# KiCad board badge.kicad_pcb
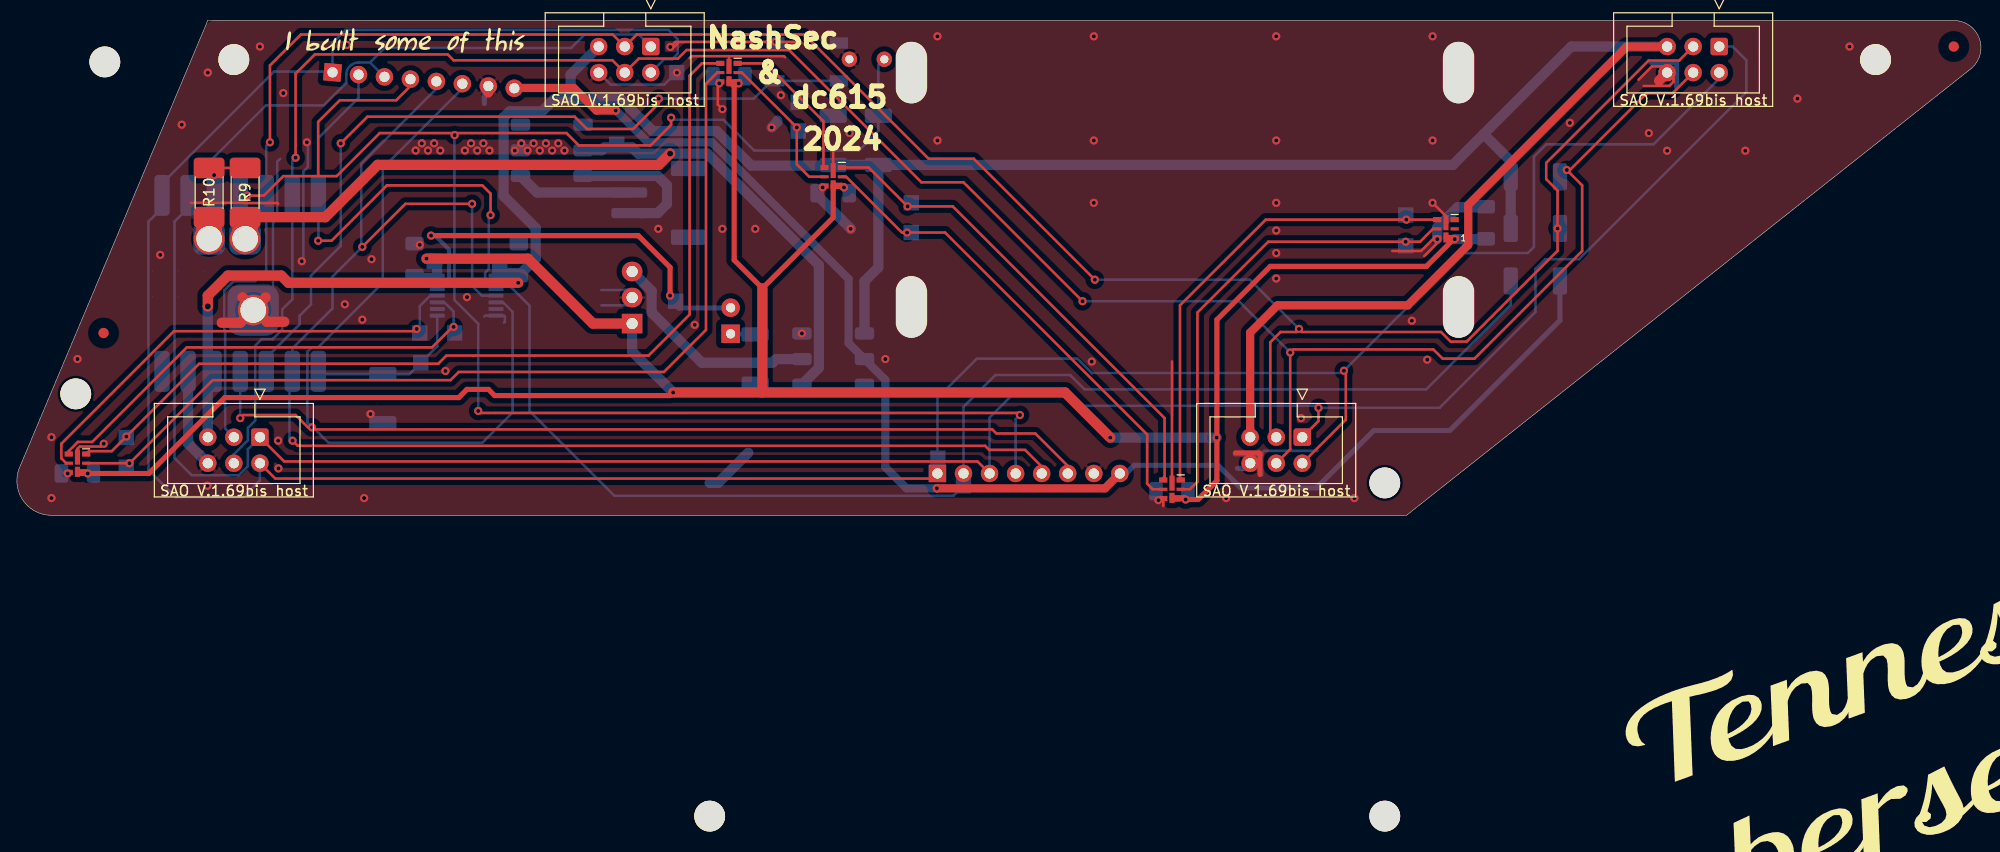
[diagram p0: board, top side]
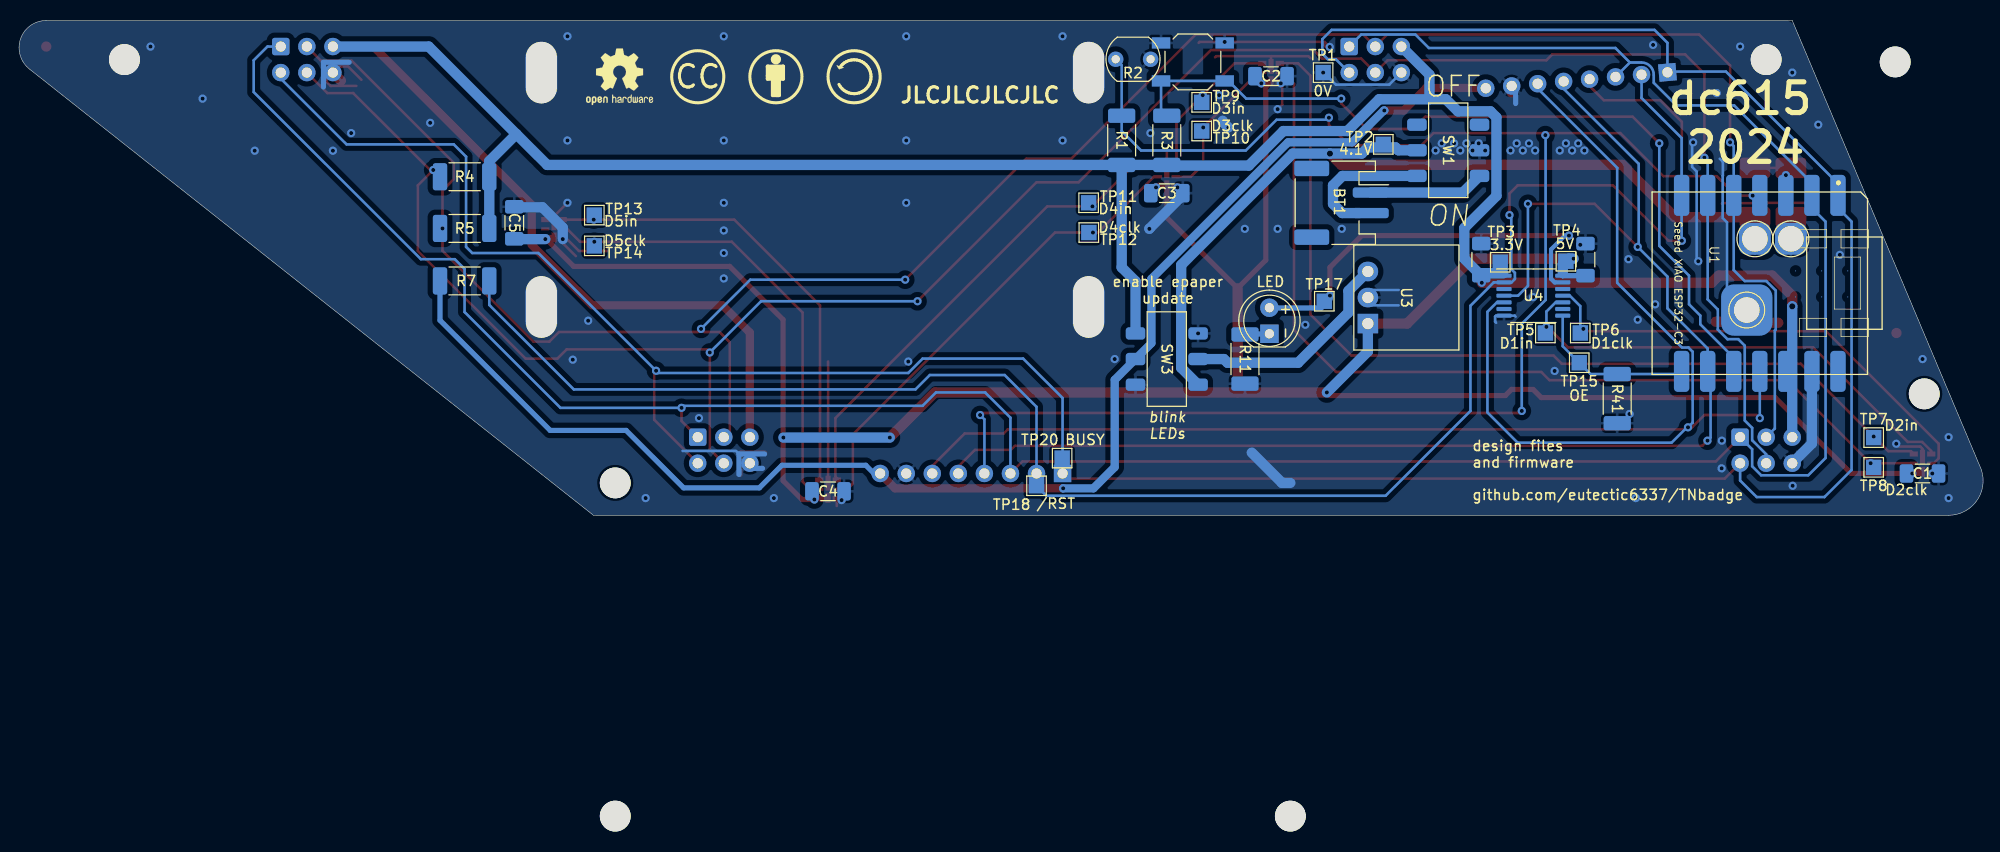
[diagram p1: board, bottom side, seen from below]

Outline 191.44 x 48.26 mm; copper layers: Top, Bottom. Coordinates in mm from the lower left corner of the outline.
Outline path: 3.37,0 arc(0.5,1.6) 0.36,4.88 18.61,48.26 188.79,48.26 arc(191.3,46.47) 190.41,43.52 135.45,0 3.37,0
Stack: Top 0.035mm / dielectric 1.51mm FR4 er 4.5 / Bottom 0.035mm

## Placement (name value [footprint] x y rotation side)
bb1  -  [MountingHole_2.2mm_M2_DIN965_Pad]  140.53 43.18 0 top
bb2  -  [MountingHole_2.2mm_M2_DIN965_Pad]  140.53 20.32 0 top
bb5  -  [MountingHole_2.2mm_M2_DIN965_Pad]  87.19 20.32 0 top
bb6  -  [MountingHole_2.2mm_M2_DIN965_Pad]  87.19 43.18 0 top
BT1  Battery  [JST_PH_S2B-PH-SM4-TB_1x02-1MP_P2.00mm_Horizontal]  62.54 30.48 270 bottom
C1  1u  [C_1206_3216Metric_Pad1.33x1.80mm_HandSolder]  5.91 4.08 180 bottom
C2  1u  [C_1206_3216Metric_Pad1.33x1.80mm_HandSolder]  69.41 42.83 180 bottom
C3  1u  [C_1206_3216Metric_Pad1.33x1.80mm_HandSolder]  79.57 31.42 180 bottom
C4  1u  [C_1206_3216Metric_Pad1.33x1.80mm_HandSolder]  112.59 2.34 180 bottom
C5  1u  [C_1206_3216Metric_Pad1.33x1.80mm_HandSolder]  143.17 28.53 90 bottom
C41  1u  [C_1206_3216Metric_Pad1.33x1.80mm_HandSolder]  48.92 24.94 90 bottom
C42  1u  [C_1206_3216Metric_Pad1.33x1.80mm_HandSolder]  38.76 24.94 90 bottom
CC  -  [Symbol_CreativeCommons_Silkscreen_Type2_Small]  125.29 42.78 180 bottom
CC-BY  -  [Symbol_CC-Attribution_Silkscreen_Small]  117.67 42.78 180 bottom
CC-SA  -  [Symbol_CC-ShareAlike_Silkscreen_Small]  110.05 42.78 180 bottom
D1  APA102  [LED-APA102-2020]  5.91 5.08 180 top
D2  APA102  [LED-APA102-2020]  69.41 43.18 180 top
D3  APA102  [LED-APA102-2020]  79.57 33.02 180 top
D4  APA102  [LED-APA102-2020]  112.59 2.54 180 top
D5  APA102  [LED-APA102-2020]  139.29 27.94 180 top
D6  LED  [LED_D5.0mm]  69.57 17.71 90 bottom
fiducial1  -  [Fiducial_1mm_Mask3mm]  8.45 17.78 0 top
fiducial2  -  [Fiducial_1mm_Mask3mm]  188.79 45.72 0 top
J1  SAO V.1.69bis host  [IDC-Header_2x03_P2.54mm_Vertical]  165.93 45.72 270 top
J1#2  SAO V.1.69bis host  [IDC-Header_2x03_P2.54mm_Vertical]  61.79 45.72 270 top
J1#3  SAO V.1.69bis host  [IDC-Header_2x03_P2.54mm_Vertical]  125.29 7.62 270 top
J1#4  SAO V.1.69bis host  [IDC-Header_2x03_P2.54mm_Vertical]  23.69 7.62 270 top
lanyard1  -  [unnamed]  21.15 44.45 0 top
lanyard2  -  [unnamed]  181.17 44.45 0 top
OSHW  -  [OSHW-Logo2_7.3x6mm_SilkScreen]  132.91 42.78 180 bottom
R1  10k  [R_2010_5025Metric_Pad1.40x2.65mm_HandSolder#2]  83.97 36.57 90 bottom
R2  LDR07  [R_LDR_5.1x4.3mm_P3.4mm_Vertical]  84.55 44.48 180 bottom
R3  10k  [R_2010_5025Metric_Pad1.40x2.65mm_HandSolder#2]  79.57 36.57 90 bottom
R4  10k  [R_2010_5025Metric_Pad1.40x2.65mm_HandSolder#2]  148.01 33.02 0 bottom
R5  10k  [R_2010_5025Metric_Pad1.40x2.65mm_HandSolder#2]  148.01 27.98 0 bottom
R7  10k  [R_2010_5025Metric_Pad1.40x2.65mm_HandSolder#2]  148.01 22.86 180 bottom
R9  100k  [R_2010_5025Metric_Pad1.40x2.65mm_HandSolder]  22.25 31.48 90 top
R10  100k  [R_2010_5025Metric_Pad1.40x2.65mm_HandSolder]  18.74 31.48 270 top
R11  100  [R_2010_5025Metric_Pad1.40x2.65mm_HandSolder#2]  71.95 15.24 270 bottom
R41  10k  [R_2010_5025Metric_Pad1.40x2.65mm_HandSolder#2]  35.67 11.38 270 bottom
REF**  -  [TestPoint_Pad_D3.0mm]  22.25 26.97 180 bottom
REF**#2  -  [TestPoint_Pad_D3.0mm#2]  23.04 20.02 180 bottom
REF**#3  -  [TestPoint_Pad_D3.0mm]  18.74 26.97 180 bottom
SW1  power  [MSS-22D18G2 hand-solderable]  52.14 35.6 90 bottom
SW2  SW_Push  [SW_SPST_SKQG_WithoutStem]  77.03 44.22 180 bottom
SW3  update epaper  [MSS-22D18G2 hand-solderable]  79.57 15.24 270 bottom
TP1  0V  [TestPoint_Pad_1.5x1.5mm]  64.33 43.18 180 bottom
TP2  4.1V  [TestPoint_Pad_1.5x1.5mm]  58.47 36.18 180 bottom
TP3  3.3V  [TestPoint_Pad_1.5x1.5mm]  47.07 24.68 180 bottom
TP4  5V  [TestPoint_Pad_1.5x1.5mm]  40.67 24.78 180 bottom
TP5  D1in  [TestPoint_Pad_1.5x1.5mm]  42.67 17.78 180 bottom
TP6  D1clk  [TestPoint_Pad_1.5x1.5mm]  39.27 17.78 180 bottom
TP7  D2in  [TestPoint_Pad_1.5x1.5mm]  10.67 7.58 180 bottom
TP8  D2clk  [TestPoint_Pad_1.5x1.5mm]  10.67 4.68 180 bottom
TP9  D3in  [TestPoint_Pad_1.5x1.5mm]  76.17 40.28 180 bottom
TP10  D3clk  [TestPoint_Pad_1.5x1.5mm]  76.17 37.48 180 bottom
TP11  D4in  [TestPoint_Pad_1.5x1.5mm]  87.19 30.48 180 bottom
TP12  D4clk  [TestPoint_Pad_1.5x1.5mm]  87.17 27.58 180 bottom
TP13  D5in  [TestPoint_Pad_1.5x1.5mm]  135.37 29.28 180 bottom
TP14  D5clk  [TestPoint_Pad_1.5x1.5mm]  135.37 26.28 180 bottom
TP15  OE  [TestPoint_Pad_1.5x1.5mm]  39.37 14.88 180 bottom
TP17  LEDin  [TestPoint_Pad_1.5x1.5mm]  64.22 20.88 180 bottom
TP18  /RST  [TestPoint_Pad_1.5x1.5mm]  92.27 2.88 180 bottom
TP20  BUSY  [TestPoint_Pad_1.5x1.5mm]  89.77 5.58 180 bottom
U1  Seeed XIAO ESP32-C3  [Seeed XIAO ESP32-C3 hand-solderable]  32.27 31.54 270 bottom
U2  -  [MH-ET_epaper_ 2.13]  89.73 4.08 0 top
U2#2  -  [MH-ET_epaper_ 2.13#2]  30.77 43.2 355 top
U3  5V boost converter  [boost converter module]  59.97 18.7 270 bottom
U4  TXS0104EPWR  [TSSOP-14_4.4x5mm_P0.65mm]  43.84 21.42 180 bottom

## Library data of the parts
C1-C5 C41 C42 = -: ki_fp_filters: C_*
D1-D4 = -: Datasheet: http://www.led-color.com/upload/201604/APA102-2020%20SMD%20LED.pdf; Field4: 1; ki_fp_filters: LED*APA102*
D5 = -: Datasheet: http://www.led-color.com/upload/201604/APA102-2020%20SMD%20LED.pdf; ki_fp_filters: LED*APA102*
D6 = -: ki_fp_filters: LED* LED_SMD:* LED_THT:*
R1 R3-R5 R7 R9-R11 R41 = -: ki_fp_filters: R_*
R2 = -: Datasheet: http://www.tme.eu/de/Document/f2e3ad76a925811312d226c31da4cd7e/LDR07.pdf; ki_fp_filters: R*LDR*5.1x4.3mm*P3.4mm*
SW1 SW3 = -: ki_fp_filters: SW*DPDT*
TP1-TP15 TP17 TP18 TP20 = -: ki_fp_filters: Pin* Test*
U2 U2#2 = -: Datasheet: https://www.aliexpress.us/item/3256803898542103.html; ki_fp_filters: EA*DOGXL160*7*
U3 = -: ki_fp_filters: TO?252* TO?263* TO?220*
U4 = -: Datasheet: www.ti.com/lit/ds/symlink/txs0104e.pdf; ki_fp_filters: *SSOP*4.4x6.5mm*P0.65mm*

## Footprints (pads in the part's own frame, mm; a bottom-side part is the same pattern mirrored in y, then rotated)
boost converter module
  rect 1.905x2 hole 1.1: 1(0,0)
  oval 1.905x2 hole 1.1: 2(-2.54,0) 3(-5.08,0)
C_1206_3216Metric_Pad1.33x1.80mm_HandSolder
  rrect 1.325x1.8 smd: 1(-1.562,0) 2(1.562,0)
Fiducial_1mm_Mask3mm
  round 1 smd: (0,0)
IDC-Header_2x03_P2.54mm_Vertical
  rrect 1.7x1.7 hole 1: 1(0,0)
  round 1.7 hole 1: 2(2.54,0) 3(0,-2.54) 4(2.54,-2.54) 5(0,-5.08) 6(2.54,-5.08)
JST_PH_S2B-PH-SM4-TB_1x02-1MP_P2.00mm_Horizontal
  rrect 1x3.5 smd: 1(-1,2.85) 2(1,2.85)
  rrect 1.5x3.4 smd: MP(-3.35,-2.9) MP(3.35,-2.9)
LED-APA102-2020
  rect 0.8x0.5 smd: 1(-0.85,0.9) 3(-0.85,-0.9) 4(0.85,-0.9) 6(0.85,0.9)
  rect 0.5x0.98 smd: 1(0,0.84)
  rect 0.8x0.3 smd: 2(-0.85,0) 5(0.85,0)
  rect 0.5x1.46 smd: 6(0,-0.6)
LED_D5.0mm
  rect 1.8x1.8 hole 0.9: 1(0,0)
  round 1.8 hole 0.9: 2(2.54,0)
MH-ET_epaper_ 2.13
  round 0.1 smd far side: (-22.2,-0.92)
  round 3 hole 3 unplated: (-22.2,-33.42) (43.6,-0.92) (43.6,-33.42)
  rect 1.7x1.7 hole 1: 1(0,0)
  round 1.7 hole 1: 2(2.54,0) 3(5.08,0) 4(7.62,0) 5(10.16,0) 6(12.7,0) 7(15.24,0) 8(17.78,0)
MH-ET_epaper_ 2.13#2
  round 3 hole 3 unplated: (-22.2,-0.92) (-22.2,-33.42)
  round 0.1 smd far side: (43.6,-0.92) (43.6,-33.42)
  rect 1.7x1.7 hole 1: 1(0,0)
  round 1.7 hole 1: 2(2.54,0) 3(5.08,0) 4(7.62,0) 5(10.16,0) 6(12.7,0) 7(15.24,0) 8(17.78,0)
MountingHole_2.2mm_M2_DIN965_Pad
  oval 3.1x6 hole 3x6: (0,0)
MSS-22D18G2 hand-solderable
  rrect 1.2x1.9 smd: 1(-2.5,3.05) 2(0,3.05) 3(2.5,3.05) 4(-2.5,-3.05) 5(0,-3.05) 6(2.5,-3.05)
R_2010_5025Metric_Pad1.40x2.65mm_HandSolder
  rrect 2x3 smd: 1(-2.4,0) 2(2.4,0)
R_2010_5025Metric_Pad1.40x2.65mm_HandSolder#2
  rrect 1.4x2.65 smd: 1(-2.4,0) 2(2.4,0)
R_LDR_5.1x4.3mm_P3.4mm_Vertical
  round 1.5 hole 0.8: 1(0,0) 2(3.4,0)
Seeed XIAO ESP32-C3 hand-solderable
  rrect 4x1.5 smd: 1(0.333,18.118) 2(0.333,15.578) 3(0.333,13.038) 4(0.333,10.498) 5(0.333,7.958) 6(0.333,5.418) 7(0.333,2.878) 8(17.498,2.878) 9(17.498,5.418) 10(17.498,7.958) 11(17.498,10.498) 12(17.498,13.038) 13(17.498,15.578) 14(17.498,18.118)
  round 3 hole 2.5: 15(4.572,10.019) 16(4.572,13.529) thermal(11.517,9.228)
  round 0.1 smd: 17(7.699,19.068) 18(10.239,19.068) 19(7.699,16.528) 20(10.239,16.528) 21(7.699,13.988) 22(10.239,13.988)
SW_SPST_SKQG_WithoutStem
  rect 1.8x1.1 smd: 1(-3.1,1.85) 1(3.1,1.85) 2(-3.1,-1.85) 2(3.1,-1.85)
TestPoint_Pad_1.5x1.5mm
  rect 1.5x1.5 smd: 1(0,0)
TestPoint_Pad_D3.0mm
  rrect 3.1x3.1 smd: 1(0,0)
TestPoint_Pad_D3.0mm#2
  rrect 5x5 smd: 1(0,0)
TSSOP-14_4.4x5mm_P0.65mm
  rrect 1.475x0.4 smd: 1(-2.862,1.95) 2(-2.862,1.3) 3(-2.862,0.65) 4(-2.862,0) 5(-2.862,-0.65) 6(-2.862,-1.3) 7(-2.862,-1.95) 8(2.862,-1.95) 9(2.862,-1.3) 10(2.862,-0.65) 11(2.862,0) 12(2.862,0.65) 13(2.862,1.3) 14(2.862,1.95)
unnamed
  round 3 hole 3: (0,0)

## Nets
+3V3: C41.1 J1.5 J1#2.5 J1#3.5 J1#4.5 R1.1 R3.1 R4.1 R5.1 SW3.4 TP3.1 U1.12 U4.1
+5V: C1.1 C2.1 C3.1 C4.1 C5.1 C42.1 D1.1 D2.1 D3.1 D4.1 D5.1 TP4.1 U3.1 U4.14
GND: bb1. bb2. bb5. bb6. C1.2 C2.2 C3.2 C4.2 C5.2 C41.2 C42.2 D1.6 D2.6 D3.6 D4.6 D5.6 J1.6 J1#2.6 J1#3.6 J1#4.6 lanyard1. lanyard2. R2.2 R10.2 R11.2 R41.2 REF**#2.1 REF**#3.1 SW1.5 SW2.1 SW3.1 SW3.6 TP1.1 U1.13 U1.16 U1.thermal U2. U2.7 U2#2. U2#2.7 U3.2 U4.7
/BAT+: R9.1 REF**.1 SW1.2 SW3.3 TP2.1 U1.15
/D2ck: D1.2 D2.5 TP8.1
/D2in: D1.3 D2.4 TP7.1
/D3ck: D2.2 D3.5 TP10.1
/D3in: D2.3 D3.4 TP9.1
/D4ck: D3.2 D4.5 TP12.1
/D4in: D3.3 D4.4 TP11.1
/D5ck: D4.2 D5.5 TP14.1
/D5in: D4.3 D5.4 TP13.1
/GPIO1/DC: J1.1 J1#2.1 J1#3.1 J1#4.1 U1.2 U2.3 U2#2.3
/GPIO2/BUSY: J1.2 J1#2.2 J1#3.2 J1#4.2 TP20.1 U1.1 U2.1 U2#2.1
/LED/RESET: R7.2 TP18.1 U1.7 U2.2 U2#2.2 U4.2
/ls_MOSI: D1.4 TP5.1 U4.10
/ls_SCLK: D1.5 TP6.1 U4.11
/MOSI: U1.11 U2.6 U2#2.6 U4.5
/OE: R41.1 TP15.1 U1.8 U4.8
/SCL: J1.4 J1#2.4 J1#3.4 J1#4.4 R4.2 U1.6
/SCLK: U1.9 U2.5 U2#2.5 U4.4
/SDA: J1.3 J1#2.3 J1#3.3 J1#4.3 R5.2 U1.5
/sw_+3V3: R7.1 SW3.5 U2.8 U2#2.8
/Vbutton: R3.2 SW2.2 U1.10
/Vdark/cs: R1.2 R2.1 U1.4 U2.4 U2#2.4
/Vmeasure: R9.2 R10.1 U1.3
Net-(BT1-+): BT1.2 SW1.1
Net-(BT1--): BT1.1 SW1.4
Net-(D6-A): D6.2 TP17.1 U4.13
Net-(D6-K): D6.1 R11.1
Net-(SW3A-B): SW3.2 U3.3

Pads without a net: BT1 MP; D5 2 3; SW1 3 6; U1 14 17 18 19 20 21 22; U4 3 6 9 12

## Via types
v1: diameter 0.8, hole 0.4, Top to Bottom, 136 vias
v2: diameter 1, hole 0.6, Top to Bottom, 2 vias

## Routing (per net, layer and track width the routed paths; a pad name or vN(x,y) marks a point on that pad's centre or on a via; arc(x,y) is an arc through that point)
+3V3: length 286.7
  Top w0.8: J1#3.5 120.21,17.82 122.87,20.48 135.57,20.48 141.47,26.38 141.47,30.28 156.91,45.72 J1.5
  Top w1: v2(18.61,20.38) 18.61,21.42 20.57,23.38 25.77,23.38 26.47,22.68 v1(48.87,22.68)
  Bottom w0.5: 48.82,23.37 U4.1
  Bottom w1: 79.63,34.11 71.57,34.11 68.2,37.48 61.97,37.48 58.87,40.58 53.97,40.58 ; 53.97,40.58 52.37,40.58 51.19,39.4 48.02,39.4 47.44,38.81 47.44,31.15 50.57,28.02 50.57,25.03 49.16,23.62 46.77,23.62 ; 53.97,40.58 53.97,42.98 J1#2.5 ; SW3.4 82.62,22.83 83.97,24.18 R1.1 ; v2(18.61,20.38) J1#4.5 ; R5.1 R4.1 145.61,34.54 142.97,37.18 ; 142.97,37.18 139.96,34.17 R3.1 ; 142.97,37.18 151.51,45.72 J1.5
+5V: length 252.9
  Top w0.5: 112.71,1.58 113.36,1.58 ; 112.59,1.71 113.8,1.71 113.97,1.54 115.13,1.54 116.97,3.38 116.97,19.08 122.17,24.28 137.39,24.28 D5.1 140.08,27.1 D5.1 ; 80.52,32.02 80.35,32.19 79.57,32.19 79.57,29.04 72.67,22.14 69.92,24.89 69.92,41.83 D2.1 ; 79.58,32.08 80.36,32.08 ; D2.1 69.48,42.28 69.41,42.35 ; 5.91,4.25 6.74,4.25 v1(6.91,4.08) 12.87,4.08 20.27,11.48 43.07,11.48 43.87,12.28 45.97,12.28 46.57,11.68 63.67,11.68 v1(63.97,11.98) ; 140.16,26.98 139.37,26.98 ; 5.95,4.08 6.78,4.08
  Top w1: 72.67,22.14 72.67,11.98 ; v1(106.57,7.58) 102.17,11.98 v1(63.97,11.98) ; v1(39.92,25.03) 49.82,25.03 56.15,18.7 U3.1
  Bottom w0.5: C42.1 40.97,23.38 ; 40.97,23.38 40.97,23.38 ; 40.97,23.38 U4.14
  Bottom w1: v1(140.14,26.94) 143.15,26.94 ; v1(39.92,25.03) 40.42,25.03 40.97,24.48 40.97,23.62 ; v1(106.57,7.58) v1(116.94,7.58) ; U3.1 59.97,15.98 v1(63.97,11.98)
  vias: v1(70.36,42.13) v1(80.62,31.98) v1(113.92,1.54)
GND: length 174.6
  Top w0.25: 139.29,28.53 139.29,29.18 v1(137.99,30.48) ; 79.57,33.61 79.57,35.56 ; 65.57,44.58 65.77,44.78 69.37,44.78 ; 134.07,25.78 136.87,25.78 138.27,27.18 ; 69.37,44.78 74.77,44.78 ; 69.37,44.78 69.41,44.74 D2.6 ; v1(68.77,39.61) 68.32,40.06 68.32,42.04 D2.6 ; 25.47,30.38 25.39,30.46 22.17,30.46 22.14,30.48 16.97,30.48 ; D1.6 5.91,6.48 6.13,6.71 8.19,6.71 v1(8.47,6.98) ; 138.72,26.83 137.17,25.28 ; 160.87,43.78 159.37,43.78 158.07,42.48 ; 161.47,42.88 161.47,42.28 161.07,41.88 158.57,41.88 ; D4.6 111.74,0.91 ; 76.47,46.08 76.38,46.17 64.18,46.17 v1(63.69,45.68) 64.06,45.68 64.46,46.08 ; 74.78,44.77 74.87,44.68 ; 112.59,3.13 112.59,15
  Top w0.5: 118.77,6.08 121.07,6.08 121.17,5.98 121.17,3.98
  Top w1: 24.25,21.26 21.77,18.78 19.97,18.78 ; 26.07,18.88 24.37,18.88 21.99,21.26 ; 45.95,41.24 45.95,41.67 ; J1.6 160.07,42.4
  Top w2.5: 18.74,28.58 U1.16
  Bottom w0.25: 59.97,20.48 56.97,20.48 ; v1(28.27,36.38) 28.37,36.28 28.37,33.98 27.92,33.54 27.92,24.94 v1(27.77,24.78) ; J1#2.6 57.88,42.01 63.09,42.01 64.27,43.18 ; 47.47,18.78 47.57,18.88 47.57,19.38 47.48,19.47 47.27,19.47 ; 126.77,6.28 121.57,6.28 121.27,5.98 ; U4.7 45.66,19.47 45.57,19.38 ; 24.97,21.95 24.97,28.58 25.38,29 25.38,33.12 25.37,33.13 25.37,34.48 25.67,34.78 ; 59.97,21.98 56.97,21.98
  Bottom w0.5: 159.27,44.18 161.77,44.18 161.77,41.78 ; 118.77,5.98 121.27,5.98 121.27,3.98 ; 45.57,41.67 45.57,40.16 ; 118.97,4.58 119.94,4.58
  Bottom w1: J1#4.6 16.69,7 U1.13 ; 71.29,6.11 68.34,3.16 67.53,3.16 ; v1(81.27,27.94) 81.27,27.96 78.01,31.22 ; 74.12,38.49 74.12,38.38 v1(73.57,37.83) ; v1(138.44,26.94) 138.44,28.05 140.43,30.04 143.17,30.04
  vias: v1(3.37,7.62) v1(3.37,1.68) v1(4.96,4.08) v1(5.91,15.24) v1(13.97,25.4) v1(16.07,38.1) v1(18.61,43.18) v1(18.57,2.88) v1(23.69,45.72) v1(25.47,7.28) v1(25.49,4.58) v1(25.97,41.18) v1(31.97,20.58) v1(32.17,45.88) v1(33.67,19.08) v1(33.85,1.68) v1(34.47,9.88) v1(34.57,24.98) v1(38.87,35.58) v1(39.27,26.38) v1(39.47,36.28) v1(40.07,35.58) v1(40.67,36.28) v1(41.27,35.58) v1(41.77,14.08) v1(43.67,35.58) v1(43.87,21.28) v1(44.27,36.28) v1(44.87,35.58) v1(45.47,36.28) v1(46.07,35.58) v1(48.54,35.58) v1(49.17,36.28) v1(49.77,35.58) v1(50.37,36.28) v1(50.97,35.58) v1(51.57,36.28) v1(52.17,35.58) v1(52.77,36.28) v1(53.37,35.58) v1(62.52,27.94) v1(64.33,43.18) v1(66.07,18.58) v1(68.46,42.13) v1(68.77,27.94) v1(71.97,27.94) v1(73.93,46.17) v1(74.47,40.98) v1(76.52,17.74) v1(78.54,31.98) v1(81.17,37.28) v1(84.65,15.24) v1(89.73,46.72) v1(89.73,36.56) v1(104.77,14.99) v1(104.97,46.72) v1(104.97,36.56) v1(104.97,30.48) v1(111.27,1.48) v1(117.87,1.68) v1(122.75,46.72) v1(122.75,36.56) v1(122.75,30.48) v1(122.75,27.78) v1(122.75,25.58) v1(122.75,23.1) v1(125.17,9.48) v1(130.37,1.68) v1(135.97,18.98) v1(137.47,15.18) v1(137.99,46.72) v1(137.99,36.56) v1(151.37,38.28) v1(159.07,37.28) v1(160.85,35.56) v1(168.47,35.56) v1(173.55,40.64) v1(178.63,45.72)
/BAT+: length 85.8
  Top w1: R9.1 30.07,29.08 35.17,34.18 62.57,34.18 v2(63.67,35.28)
  Top w2.5: 22.25,28.58 REF**.1
  Bottom w1: SW1.2 56.99,35.6 57.27,35.88 59.97,35.88 60.57,35.28 v2(63.67,35.28) 67.29,35.28 78.17,24.4 78.17,14.39 SW3.3
/D2ck: length 91.6
  Top w0.25: D1.2 10.99,5.08 19.09,13.18 42.27,13.18 43.07,13.98 63.07,13.98 67.17,18.08 67.17,42.08 68.27,43.18 D2.5
  vias: v1(10.97,5.08)
/D2in: length 91.2
  Top w0.25: D1.3 7.03,6.26 9.24,6.26 v1(10.67,7.68) 17.77,14.78 41.07,14.78 41.87,15.58 61.57,15.58 65.57,19.58 65.57,42.88 66.77,44.08 D2.4
/D3ck: length 14.6
  Top w0.25: 78.62,33.02 77.23,33.02 76.02,34.23 v1(76.02,37.83) 70.67,43.18 70.36,43.18
/D3in: length 15.1
  Top w0.25: D2.3 72.97,44.08 78.62,38.43 78.62,34.02
  vias: v1(76.07,40.98)
/D4ck: length 46.8
  Top w0.25: D3.2 80.83,33.02 86.27,27.58 90.47,27.58 110.17,7.88 110.17,3.08 110.71,2.54 D4.5
  vias: v1(86.77,27.58)
/D4in: length 47.6
  Top w0.25: D3.3 83.03,33.92 v1(86.82,30.13) 91.22,30.13 111.87,9.48 111.87,3.77 111.64,3.54
/D5ck: length 45.2
  Top w0.25: D4.2 114.33,2.54 115.07,3.28 115.07,19.78 121.97,26.68 v1(135.37,26.68) 136.77,26.68 138.03,27.94 D5.5
/D5in: length 45.5
  Top w0.25: D5.4 v1(135.43,28.84) 121.73,28.84 113.37,20.48 113.37,3.71 113.54,3.54
/GPIO1/DC: length 269.1
  Top w0.25: v1(126.87,10.48) 126.87,9.2 J1#3.1 ; J1#4.1 26.05,5.26 93.63,5.26 U2.3
  Bottom w0.25: J1#4.1 22.51,6.45 22.51,4.78 21.64,3.91 17.04,3.91 15.36,5.58 15.36,28.65 16.69,29.97 ; U2.3 94.81,9.52 97.27,11.98 102.07,11.98 103.37,10.68 126.67,10.68 v1(126.87,10.48) 138.67,10.48 148.02,19.83 148.02,24.03 148.97,24.98 152.27,24.98 168.57,41.28 168.57,44.38 167.23,45.72 J1.1 ; 34.43,44.16 33.31,44.16 arc(32.46,43.81) 32.1,42.96 32.1,42.19 29.9,39.98 24.27,39.98 16.89,32.6 16.69,32.6 ; 34.43,44.16 35.84,45.58 54.03,45.58 55.34,46.9 60.61,46.9 J1#2.1 ; 34.43,44.16 U2#2.3
/GPIO2/BUSY: length 284.7
  Top w0.25: v1(129.35,14.1) 129.53,13.92 129.53,9.32 J1#3.2 ; J1#4.2 25.19,3.58 89.23,3.58
  Bottom w0.25: 14.15,29.97 12.82,28.65 12.82,4.42 15.47,1.78 22.07,1.78 23.69,3.4 J1#4.2 ; U2#2.1 30.77,46.08 32.03,47.35 63.5,47.35 64.41,46.44 64.41,45.03 63.87,44.48 63.09,44.48 J1#2.2 ; 165.93,42.59 159.52,36.18 149.07,36.18 147.87,34.98 147.87,26.18 147.27,25.58 140.83,25.58 v1(129.35,14.1) 129.13,13.88 104.77,13.88 103.37,15.28 93.57,15.28 89.73,11.44 U2.1 ; 30.77,43.28 25.07,43.28 14.15,32.36 U1.1
/LED/RESET: length 174.7
  Top w0.25: v1(29.37,26.78) 30.67,26.78 36.07,32.18 45.37,32.18 46.17,31.38 v1(46.17,29.28)
  Bottom w0.25: v1(29.37,26.78) 29.39,26.8 29.39,29.86 ; U1.7 29.39,36.8 33.3,40.71 33.3,42.78 ; R7.2 145.61,20.52 137.37,12.28 104.07,12.28 102.67,13.68 95.37,13.68 92.27,10.58 U2.2 TP18.1 91.29,1.9 58.24,1.9 49.97,10.18 49.97,20.44 47.69,22.72 47.69,22.72 U4.2 45.96,22.72 45.64,23.05 45.64,23.65 45.99,24 45.99,29.11 v1(46.17,29.28)
/ls_MOSI: length 46.3
  Top w0.25: v1(42.57,18.38) 42.47,18.38 40.47,16.38 16.57,16.38 7.34,7.16 5.94,7.16 5.06,6.27 D1.4
  Bottom w0.25: v1(42.57,18.38) 42.57,19.87 41.67,20.77 U4.10
/ls_SCLK: length 46.1
  Top w0.25: v1(38.97,18.18) 38.74,17.96 15.31,17.96 4.33,6.98 4.33,5.56 4.81,5.08
  Bottom w0.25: TP6.1 39.27,20.4 40.29,21.42 U4.11
/MOSI: length 161.5
  Top w0.25: U2.6 102.43,4.82 99.27,7.98 95.47,7.98 95.07,8.38 28.97,8.38 v1(28.77,8.58) 28.37,8.58 27.17,9.78 22.07,9.78 v1(21.77,9.48)
  Bottom w0.25: 43.42,41.9 43.42,41.63 35.67,33.88 35.67,22.68 29.35,16.36 28.72,16.36 28.31,15.95 28.31,9.03 v1(28.77,8.58) 28.87,8.58 30.37,7.08 45.37,7.08 48.32,10.03 48.32,19.84 47.39,20.77 U4.5 ; v1(21.77,9.48) U1.11
/OE: length 15.6
  Bottom w0.25: U4.8 40.98,16.49 TP15.1 38.27,13.78 35.57,13.78 ; 35.61,13.78 29.53,13.78
/SCL: length 222.1
  Top w0.25: J1.4 161.39,41.18 158.87,41.18 151.37,33.68 v1(151.07,33.68) 152.57,32.18 152.57,25.78 142.07,15.28 138.97,15.28 138.07,16.18 124.41,16.18 v1(124.11,15.88) 124.11,6.45 J1#3.4 ; v1(103.87,20.88) 92.27,32.48 88.17,32.48 75.27,45.38 65.27,45.38 64.43,44.55 60.61,44.55 J1#2.4 58.05,44.38 42.57,44.38 41.99,44.96 29.04,44.96 27.17,43.08 v1(27.17,34.88)
  Bottom w0.25: v1(27.17,34.88) 26.85,34.56 U1.6 26.85,21.06 25.86,20.08 25.86,18.12 24.93,17.18 23.87,17.18 23.23,16.55 23.23,9.25 22.51,8.53 22.51,7.32 21.15,5.96 J1#4.4 ; v1(103.87,20.88) 119.11,20.88 v1(124.11,15.88)
/SCLK: length 139.3
  Top w0.25: U2.5 99.89,4.76 98.27,6.38 94.77,6.38 94.37,6.78 27.37,6.78 v1(26.87,7.28) ; v1(33.67,26.18) 37.87,30.38 v1(44.37,30.38)
  Bottom w0.25: v1(26.87,7.28) 26.57,7.58 26.57,14.26 26.85,14.54 ; v1(44.37,30.38) 44.37,22.38 45.33,21.42 U4.4 ; 40.89,42.12 40.89,41.6 33.57,34.28 33.57,26.08 30.77,23.28 30.77,20.18 26.85,16.26 U1.9
/SDA: length 223.1
  Top w0.25: v1(105.07,22.98) 93.27,34.78 88.87,34.78 76.75,46.9 60.42,46.9 J1#2.3 58.07,46.9 27.68,46.9 24.67,43.88 v1(24.67,36.38) ; J1#3.3 122.17,8.2 122.17,16.88 123.17,17.88 124.67,17.88 v1(124.97,18.18) 125.27,17.88 138.81,17.88 139.75,16.94 141.31,16.94 150.17,25.8 v1(150.17,27.98) 150.17,31.68 149.07,32.78 149.07,34.38 159.04,44.36 162.02,44.36 J1.3
  Bottom w0.25: U1.5 24.31,36.02 v1(24.67,36.38) ; v1(124.97,18.18) 120.17,22.98 v1(105.07,22.98) ; 24.31,29.86 24.31,23.92 23.23,22.85 21.14,22.85 20.21,21.92 20.21,18.12 20.3,18.03 20.3,8.46 J1#4.3
/sw_+3V3: length 139
  Top w0.8: v1(58.37,39.48) 56.49,39.48 54.29,41.68 48.51,41.68 U2#2.8 ; U2.8 106.06,2.63 v1(89.67,2.63)
  Bottom w0.5: 107.81,3.78 108.91,4.88 117.08,4.88 119.28,2.68 126.67,2.68 132.27,8.28 139.67,8.28 150.41,19.02 R7.1
  Bottom w0.8: v1(89.67,2.63) 86.72,2.63 84.65,4.7 84.65,13.21 SW3.5 81.07,16.79 81.07,23.06 67.75,36.38 61.51,36.38 58.41,39.48 v1(58.37,39.48)
/Vbutton: length 78.7
  Top w0.25: v1(62.57,40.64) 62.57,40.18 60.07,37.68 55.57,37.68 54.37,38.88 34.17,38.88 v1(31.57,36.28)
  Bottom w0.25: v1(31.57,36.28) 31.57,26.28 28.67,23.38 28.67,20.58 27.57,19.48 27.57,18.63 24.31,15.37 ; SW2.2 SW2.2 80.13,39.53 ; 73.56,42.37 71.83,40.64 v1(62.57,40.64)
/Vdark/cs: length 178.7
  Top w0.25: 29.37,33.08 25.97,33.08 24.07,31.18 v1(22.47,31.18) ; 29.37,33.08 29.37,38.38 31.47,40.48 36.97,40.48 38.36,41.87 U2#2.4 ; 29.37,33.08 31.17,33.08 35.37,37.28 42.47,37.28 v1(42.67,37.08) 42.87,37.28 53.57,37.28 54.77,36.08 61.77,36.08 63.77,38.08 v1(63.77,38.78) ; v1(97.77,9.78) 97.57,9.98 45.17,9.98 v1(44.97,10.18)
  Bottom w0.25: v1(97.77,9.78) 97.35,9.36 U2.4 ; v1(44.97,10.18) 44.97,18.68 42.64,21.01 42.64,37.06 v1(42.67,37.08) ; v1(63.77,38.78) 63.97,38.58 68.87,38.58 71.87,35.58 82.07,35.58 83.97,37.48 R1.2 83.97,43.9 R2.1
/Vmeasure: length 3.5
  Top w0.25: R10.1 R9.2
  vias: v1(19.23,33.18)
Net-(BT1-+): length 13.3
  Bottom w1: SW1.1 62.45,33.1 63.37,32.18 63.37,30.38 62.47,29.48 60.79,29.48
Net-(BT1--): length 11.3
  Bottom w1: SW1.4 50.71,31.48 BT1.1
Net-(D6-A): length 40.4
  Top w0.5: v1(63.67,21.43) 63.67,24.18 60.57,27.28 v1(40.37,27.28)
  Bottom w0.25: U4.13 41.67,22.72
  Bottom w0.4: v1(40.37,27.28) 40.77,27.28 42.12,25.93 42.12,23.07 41.77,22.72 41.67,22.72
  Bottom w0.5: 69.57,20.25 69.54,20.22 64.53,20.22 63.67,21.08 v1(63.67,21.43)
Net-(D6-K): length 2.4
  Bottom w0.5: D6.1 69.59,17.68 71.91,17.68
Net-(SW3A-B): length 21.6
  Bottom w1: SW3.2 74.01,15.24 73.65,14.88 66.77,14.88 61.87,19.78 61.87,21.88 U3.3

## Copper pours and planes (outline as drawn; the poured copper is in the pictures)
GND on Top, Bottom: 196.41,48.26 135.45,0 -1.71,0 18.61,48.26

## Text on the board
B.Silkscreen: + | - | github.com/eutectic6337/TNbadge | design files / and firmware | enable epaper / update | blink / LEDs | JLCJLCJLCJLC | OFF | ON | 2024 | dc615
User.Comments: Notes for editing in KiCad: / - after import netlist, change pins to GND: / - CPU thermal pad / - RH epaper display, top left mounting hole (minimized) / - LH epaper display, bottom right mounting hole (minimized) / - LH epaper display, top right mounting hole (minimized)
F.Silkscreen: & | NashSec | dc615 | 2024
